# Altium PCB SOM Board with RK3399.PcbDoc (part 1 of 5) (continued)
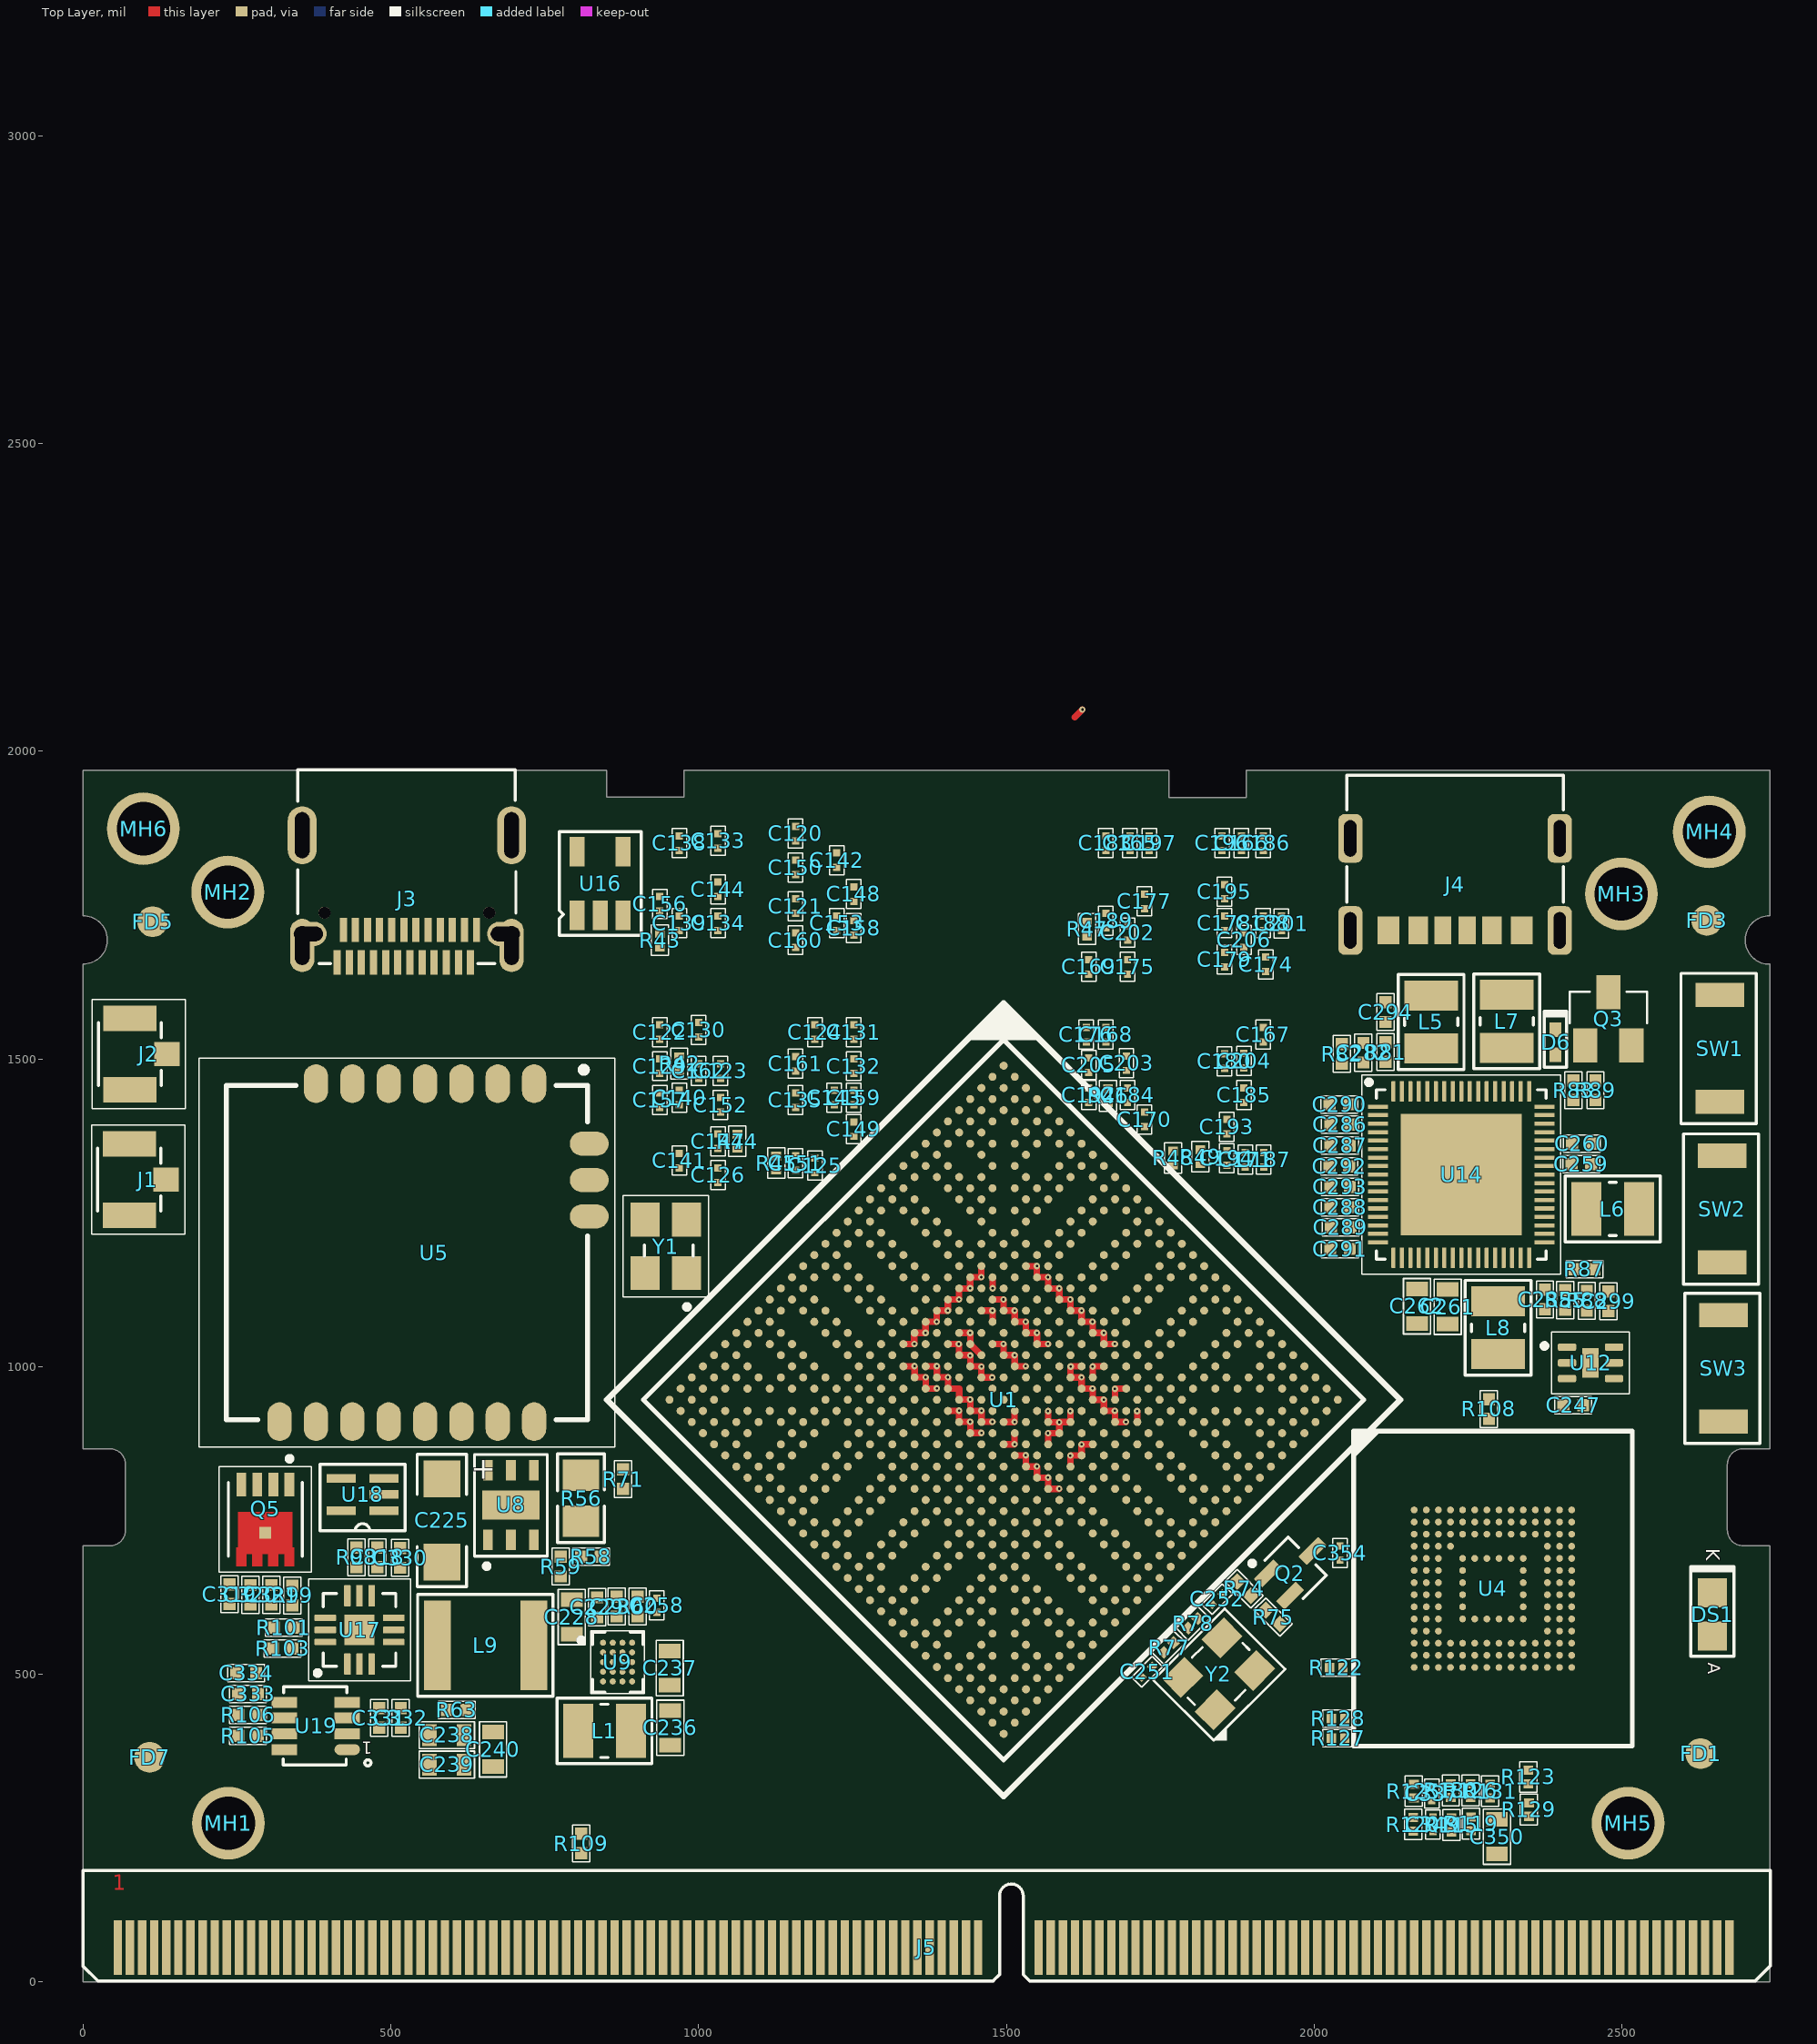
[diagram p0: Top Layer view]
## Components (designator, comment, footprint, x,y, rotation, side; value= is the part's Value field where it differs from the comment)
C1 "10uF" CAP_0402 1685.23,907.28 r45 bottom
C3 "10uF" CAP_0402 1535.47,962.98 r315 bottom
C4 "10uF" CAP_0402 1296.44,1008.07 r45 bottom
C5 "10uF" CAP_0402 1509.98,1127.5 r225 bottom
C6 "22uF" CAP_0402 1487.84,792.46 r45 bottom
C7 "10uF" CAP_0402 1546.69,874.9 r135 bottom
C8 "1uF" CAP_0201 1569,793 r45 bottom
C9 "100nF" CAP_0201 1549.06,812.59 r45 bottom
C10 "100nF" CAP_0201 1529.61,833.44 r45 bottom
C11 "100nF" CAP_0201 1508.36,854.49 r45 bottom
C12 "100nF" CAP_0201 1492.65,901.75 r45 bottom
C13 "1nF" CAP_0201 1509.82,945.13 r315 bottom
C14 "22uF" CAP_0402 1530.02,1099.7 r225 bottom
C15 "10uF" CAP_0402 1554.42,1077 r225 bottom
C16 "1uF" CAP_0201 1473.61,1082.79 r45 bottom
C17 "100nF" CAP_0201 1454.81,1102 r45 bottom
C18 "100nF" CAP_0201 1530.32,2961.53 r225 bottom
C19 "100nF" CAP_0201 1492.14,1058.44 r225 bottom
C20 "100nF" CAP_0201 1512.68,1038.25 r225 bottom
C21 "1nF" CAP_0201 1531.76,1018.43 r225 bottom
C24 "1uF" CAP_0201 1631.05,889.3 r315 bottom
C25 "100nF" CAP_0201 1566.82,900.68 r315 bottom
C26 "100nF" CAP_0201 1595.24,926.04 r315 bottom
C27 "100nF" CAP_0201 1610.5,867.36 r315 bottom
C28 "100nF" CAP_0201 1637.36,829.92 r225 bottom
C29 "1nF" CAP_0201 1586.89,832.61 r315 bottom
C30 "22uF" CAP_0402 1733.96,954.66 r225 bottom
C31 "22uF" CAP_0402 1709.24,978.38 r225 bottom
C32 "22uF" CAP_0402 1708.29,883.12 r45 bottom
C33 "1uF" CAP_0201 1655.92,918.44 r45 bottom
C34 "100nF" CAP_0201 1636.7,936.41 r45 bottom
C35 "100nF" CAP_0201 1617,955 r45 bottom
C36 "100nF" CAP_0201 1652.29,982.05 r135 bottom
C37 "100nF" CAP_0201 1673.07,1002.25 r135 bottom
C38 "100nF" CAP_0201 1630.49,1014.69 r45 bottom
C39 "1nF" CAP_0201 1598,975.03 r45 bottom
C40 "22uF" CAP_0402 1458.99,855.55 r45 bottom
C41 "22uF" CAP_0402 1382.23,910.44 r45 bottom
C42 "22uF" CAP_0402 1422.18,960.93 r225 bottom
C43 "22uF" CAP_0402 1453.37,944.93 r225 bottom
C44 "22uF" CAP_0402 1415.9,1060.63 r45 bottom
C45 "22uF" CAP_0402 1339.37,966.75 r45 bottom
C46 "22uF" CAP_0402 1357.97,934.46 r45 bottom
C47 "22uF" CAP_0402 1436.44,877.8 r45 bottom
C48 "1uF" CAP_0201 1475.42,924.99 r225 bottom
C49 "100nF" CAP_0201 1410.95,895.21 r45 bottom
C50 "100nF" CAP_0201 1484.54,995.5 r225 bottom
C51 "100nF" CAP_0201 1399.98,994.6 r225 bottom
C52 "100nF" CAP_0201 1378,1017 r45 bottom
C53 "100nF" CAP_0201 1463.35,1011.6 r225 bottom
C54 "100nF" CAP_0201 1444.44,1031.64 r225 bottom
C55 "1nF" CAP_0201 1324.08,992.38 r45 bottom
C56 "100nF" CAP_0201 1753.84,2739.89 r135 bottom
C57 "100nF" CAP_0201 1773.53,2759.57 r135 bottom
C58 "100nF" CAP_0201 1635.73,2672.96 r135 bottom
C59 "100nF" CAP_0201 1675.1,2598.16 r135 bottom
C60 "1nF" CAP_0201 1449,2381 r45 bottom
C61 "100nF" CAP_0201 1505.81,2515.48 r135 bottom
C62 "1uF" CAP_0201 1612.11,2578.47 r135 bottom
C63 "1uF" CAP_0201 1592.43,2558.79 r135 bottom
C64 "100nF" CAP_0201 2124.73,2803.57 r135 bottom
C65 "100nF" CAP_0201 2105.05,2783.89 r135 bottom
C66 "100nF" CAP_0201 2085.36,2764.2 r135 bottom
C67 "100nF" CAP_0201 2065.68,2744.52 r135 bottom
C68 "100nF" CAP_0201 2045.99,2724.83 r135 bottom
C69 "100nF" CAP_0201 2026.31,2705.15 r135 bottom
C70 "100nF" CAP_0201 2006.62,2685.46 r135 bottom
C71 "100nF" CAP_0201 1986.94,2665.78 r135 bottom
C72 "1uF" CAP_0201 1371.95,2669.02 r45 bottom
C73 "100nF" CAP_0201 1391.64,2649.34 r45 bottom
C74 "100nF" CAP_0201 1332.58,2704.46 r225 bottom
C75 "1uF" CAP_0201 1352.27,2684.77 r225 bottom
C76 "100nF" CAP_0201 1718.41,2909.18 r45 bottom
C77 "100nF" CAP_0201 1738.09,2889.5 r225 bottom
C78 "100nF" CAP_0201 1285.34,2759.57 r45 bottom
C79 "100nF" CAP_0201 1576.68,2598.16 r225 bottom
C80 "100nF" CAP_0201 1671.17,2653.28 r225 bottom
C81 "100nF" CAP_0201 1580.05,2532.62 r135 bottom
C82 "100nF" CAP_0201 1482.19,2645.4 r315 bottom
C83 "100nF" CAP_0201 1450.69,2669.02 r45 bottom
C84 "100nF" CAP_0201 1423.13,2692.65 r225 bottom
C85 "100nF" CAP_0201 1411.32,2629.65 r45 bottom
C86 "100nF" CAP_0201 1462.5,2625.72 r315 bottom
C87 "100nF" CAP_0201 1446.76,2606.03 r315 bottom
C88 "100nF" CAP_0201 1734.16,2720.2 r135 bottom
C89 "100nF" CAP_0201 1789.28,2779.26 r135 bottom
C90 "100nF" CAP_0201 1230.22,2779.26 r45 bottom
C91 "100nF" CAP_0201 1312.9,2724.14 r45 bottom
C92 "100nF" CAP_0201 2227,620 r0 bottom
C93 "10uF" CAP_0402 2287,617 r0 bottom
C94 "100nF" CAP_0201 1190.85,2818.63 r45 bottom
C95 "100nF" CAP_0201 1210.54,2798.94 r45 bottom
C96 "100nF" CAP_0201 1261.72,2834.38 r135 bottom
C97 "100nF" CAP_0201 1249.91,2759.57 r45 bottom
C98 "100nF" CAP_0201 1171.17,2838.32 r45 bottom
C99 "100nF" CAP_0201 1222.35,2861.94 r315 bottom
C100 "22uF" CAP_0402 1501.89,1168.23 r225 bottom
C101 "10uF" CAP_0402 1459.2,1193.75 r315 bottom
C102 "1uF" CAP_0201 1442.36,1168.14 r315 bottom
C103 "100nF" CAP_0201 1422.33,1147.87 r315 bottom
C104 "100nF" CAP_0201 1402.41,1127.84 r315 bottom
C105 "100nF" CAP_0201 1382.85,1107.33 r315 bottom
C106 "100nF" CAP_0201 1362.69,1086.93 r315 bottom
C107 "100nF" CAP_0201 1342.54,1067.14 r315 bottom
C108 "100nF" CAP_0201 1322.62,1045.2 r315 bottom
C109 "100nF" CAP_0201 1541.24,3043.04 r225 bottom
C110 "22uF" CAP_0402 1499.79,3087.29 r225 bottom
C111 "10uF" CAP_0402 1525.5,3066.66 r225 bottom
C112 "1uF" CAP_0201 1580.05,3003.1 r225 bottom
C113 "100nF" CAP_0201 1598.14,2985 r225 bottom
C114 "100nF" CAP_0201 1616.24,2966.9 r225 bottom
C115 "100nF" CAP_0201 1643.61,2952.49 r225 bottom
C116 "100nF" CAP_0201 1663.29,2932.8 r225 bottom
C117 "100nF" CAP_0201 1682.98,2913.12 r225 bottom
C118 "22uF" CAP_0402 1314.96,1700.79 r270 bottom
C119 "10uF" CAP_0402 1314.96,1633.86 r270 bottom
C120 "1uF" CAP_0201 1157.48,1866.14 r270 top
C121 "100nF" CAP_0201 1157.48,1748.03 r270 top
C122 "100nF" CAP_0201 937.01,1543.31 r90 top
C123 "100nF" CAP_0201 1035.43,1480.31 r270 top
C124 "100nF" CAP_0201 1188.98,1543.31 r90 top
C125 "100nF" CAP_0201 1188.98,1326.77 r90 top
C126 "100nF" CAP_0201 1031.5,1311.02 r90 top
C127 "22uF" CAP_0402 877.95,1708.66 r270 bottom
C128 "10uF" CAP_0402 877.95,1637.8 r270 bottom
C129 "1uF" CAP_0201 937.01,1488.19 r90 top
C130 "100nF" CAP_0201 1000,1547.24 r90 top
C131 "100nF" CAP_0201 1251.97,1543.31 r90 top
C132 "100nF" CAP_0201 1251.97,1488.19 r90 top
C133 "100nF" CAP_0201 1031.5,1854.33 r90 top
C134 "100nF" CAP_0201 1031.5,1720.47 r90 top
C135 "100nF" CAP_0201 1157.48,1433.07 r90 top
C136 "22uF" CAP_0402 877.95,1779.53 r90 bottom
C137 "10uF" CAP_0402 1314.96,1767.72 r90 bottom
C138 "1uF" CAP_0201 968.5,1850.39 r270 top
C139 "100nF" CAP_0201 968.5,1720.47 r90 top
C140 "100nF" CAP_0201 968.5,1437.01 r90 top
C141 "100nF" CAP_0201 968.5,1334.65 r90 top
C142 "100nF" CAP_0201 1224.41,1822.83 r90 top
C143 "100nF" CAP_0201 1220.47,1437.01 r90 top
C144 "100nF" CAP_0201 1031.5,1775.59 r90 top
C145 "22uF" CAP_0402 1314.96,1421.26 r270 bottom
C146 "10uF" CAP_0402 877.95,1413.39 r270 bottom
C147 "1uF" CAP_0201 1031.5,1366.14 r270 top
C148 "100nF" CAP_0201 1251.97,1767.72 r90 top
C149 "100nF" CAP_0201 1251.97,1385.83 r90 top
C150 "100nF" CAP_0201 1157.48,1811.02 r270 top
C151 "100nF" CAP_0201 1157.48,1330.71 r90 top
C152 "100nF" CAP_0201 1035.43,1425.2 r270 top
C153 "100nF" CAP_0201 1224.41,1720.47 r90 top
C154 "22uF" CAP_0402 1314.96,1488.19 r270 bottom
C155 "10uF" CAP_0402 877.95,1484.25 r270 bottom
C156 "1uF" CAP_0201 937.01,1751.97 r270 top
C157 "100nF" CAP_0201 937.01,1433.07 r90 top
C158 "100nF" CAP_0201 1251.97,1712.6 r90 top
C159 "100nF" CAP_0201 1251.97,1437.01 r90 top
C160 "100nF" CAP_0201 1157.48,1692.91 r90 top
C161 "100nF" CAP_0201 1157.48,1492.13 r90 top
C162 "100nF" CAP_0201 1000,1480.32 r90 top
C163 "22uF" CAP_0402 1572,1624 r270 bottom
C164 "10uF" CAP_0402 2007.87,1629.92 r270 bottom
C165 "1uF" CAP_0201 1700.79,1850.39 r90 top
C166 "100nF" CAP_0201 1881.89,1850.39 r90 top
C167 "100nF" CAP_0201 1917.32,1539.37 r90 top
C168 "100nF" CAP_0201 1661.42,1539.37 r90 top
C169 "100nF" CAP_0201 1633.86,1649.61 r270 top
C170 "100nF" CAP_0201 1724.41,1401.57 r270 top
C171 "100nF" CAP_0201 1888,1336 r270 top
C172 "22uF" CAP_0402 2010,1504 r90 bottom
C173 "10uF" CAP_0402 1570.87,1488.19 r90 bottom
C174 "1uF" CAP_0201 1921.26,1653.54 r270 top
C175 "100nF" CAP_0201 1696.85,1649.61 r270 top
C176 "100nF" CAP_0201 1629.92,1539.37 r90 top
C177 "100nF" CAP_0201 1724.41,1755.91 r270 top
C178 "100nF" CAP_0201 1854.33,1720.47 r90 top
C179 "100nF" CAP_0201 1854.33,1661.42 r90 top
C180 "100nF" CAP_0201 1854.33,1496.06 r90 top
C181 "22uF" CAP_0402 2007.87,1775.59 r90 bottom
C182 "10uF" CAP_0402 1570.87,1801.65 r90 bottom
C183 "1uF" CAP_0201 1661.42,1850.39 r270 top
C184 "100nF" CAP_0201 1696.85,1440.94 r90 top
C185 "100nF" CAP_0201 1885.83,1440.94 r90 top
C186 "100nF" CAP_0201 1917.32,1850.39 r270 top
C187 "100nF" CAP_0201 1918,1336 r90 top
C188 "100nF" CAP_0201 1917.32,1720.47 r90 top
C189 "100nF" CAP_0201 1661.42,1724.41 r90 top
C190 "22uF" CAP_0402 1567.95,1416.52 r270 bottom
C191 "10uF" CAP_0402 2011,1375 r90 bottom
C192 "1uF" CAP_0201 1633.86,1440.94 r270 top
C193 "100nF" CAP_0201 1858.27,1389.76 r90 top
C194 "100nF" CAP_0201 1858.27,1338.58 r90 top
C195 "100nF" CAP_0201 1854.33,1771.65 r90 top
C196 "100nF" CAP_0201 1850.39,1850.39 r270 top
C197 "100nF" CAP_0201 1732.28,1850.39 r270 top
C198 "100nF" CAP_0201 1570.87,1860.71 r270 bottom
C199 "22uF" CAP_0402 1572,1737 r90 bottom
C200 "10uF" CAP_0402 2011,1439 r90 bottom
C201 "1uF" CAP_0201 1947,1720 r90 top
C202 "100nF" CAP_0201 1697,1705 r90 top
C203 "100nF" CAP_0201 1695,1493 r90 top
C204 "100nF" CAP_0201 1886,1497 r270 top
C205 "100nF" CAP_0201 1634,1490 r270 top
C206 "100nF" CAP_0201 1886,1693 r90 top
C207 "100nF" CAP_0201 1573,1681 r90 bottom
C208 "100nF" CAP_0201 2274,674 r0 bottom
C209 "100nF" CAP_0201 2274,646 r180 bottom
C210 "100nF" CAP_0201 2222.47,754.22 r270 bottom
C211 "10uF" CAP_0402 2287,584 r180 bottom
C212 "100nF" CAP_0201 2293,714 r90 bottom
C213 "100nF" CAP_0201 2263,713 r90 bottom
C216 "4.7uF" CAP_0402 594,978 r270 bottom
C217 "100nF" CAP_0402 736,1301 r90 bottom
C218 "100nF" CAP_0402 539,1299 r90 bottom
C219 "10uF" CAP-T_1206 731,1052 r90 bottom
C221 "100nF" CAP_0402 668,978 r270 bottom
C223 "1uF" CAP_0402 418,1220 r90 bottom
C224 "1uF" CAP_0402 418,1153 r270 bottom
C225 "10uF" CAP-T_1206 583,750 r270 top
C226 "1nF" CAP_0402 929,1181 r180 bottom
C227 "10nF" CAP_0402 928,1215 r180 bottom
C228 "22uF" CAP_0603 794,593 r270 top
C229 "100nF" CAP_0402 835,609 r270 top
C230 "100nF" CAP_0402 867,610 r270 top
C231 "100nF" CAP_0402 373,382 r90 bottom
C232 "22uF" CAP_0603 351,463 r270 bottom
C233 "100nF" CAP_0402 340,381 r90 bottom
C234 "22uF" CAP_0603 862,413 r90 bottom
C235 "22uF" CAP_0603 811,412 r90 bottom
C236 "22uF" CAP_0603 954,413 r90 top
C237 "22uF" CAP_0603 953,510 r270 top
C238 "22uF" CAP_0603 591,401 r0 top
C239 "22uF" CAP_0603 591,353 r0 top
C240 "22uF" CAP_0603 666,378 r90 top
C241 "100nF" CAP_0402 852,609 r270 bottom
C242 "100nF" CAP_0402 441,377 r90 bottom
C243 "10uF" CAP_0402 782,673 r270 bottom
C244 "100nF" CAP_0402 814,673 r270 bottom
C245 "22uF" CAP_0603 764,892 r180 bottom
C246 "10uF" CAP_0402 2405,997 r270 bottom
C247 "10uF" CAP_0402 2421,937 r180 top
C248 "100nF" CAP_0402 802,758 r180 bottom
C249 "22nF" CAP_0402 878,817 r90 bottom
C250 "100nF" CAP_0201 1710.54,2562.72 r315 bottom
C251 "12pF" CAP_0201 1728.35,503.94 r45 top
C252 "12pF" CAP_0201 1842.52,622.05 r225 top
C253 "100nF" CAP_0201 1612.11,2913.12 r225 bottom
C254 "100nF" CAP_0201 1564.87,2854.06 r315 bottom
C255 "100nF" CAP_0201 1635.73,2633.59 r315 bottom
C256 "100nF" CAP_0201 1655.42,2692.65 r315 bottom
C257 "1uF" CAP_0201 920,741 r180 bottom
C258 "1uF" CAP_0201 932,612 r270 top
C259 "100nF" CAP_0402 2434,1329 r180 top
C260 "100nF" CAP_0402 2435,1362 r180 top
C261 "22uF" CAP_0603 2217,1097 r90 top
C262 "22uF" CAP_0603 2167,1098 r90 top
C263 "22uF" CAP_0603 2223,1425 r90 bottom
C264 "22uF" CAP_0603 2224,1522 r270 bottom
C265 "22uF" CAP_0603 2174,1531 r270 bottom
C266 "22uF" CAP_0603 2504,1232 r0 bottom
C267 "22uF" CAP_0603 2504,1282 r0 bottom
C268 "47pF" CAP_0402 2279,1599 r90 bottom
C269 "22uF" CAP_0603 2389,1582 r90 bottom
C270 "22uF" CAP_0603 2323,1042 r270 bottom
C271 "22uF" CAP_0603 2270,1043 r270 bottom
C272 "100nF" CAP_0402 2373,1190 r0 bottom
C273 "1uF" CAP_0402 2111,1315.36 r0 bottom
C274 "1uF" CAP_0402 2106.56,1219.32 r180 bottom
C275 "1uF" CAP_0402 2110.82,1423.34 r180 bottom
C276 "1uF" CAP_0402 2103.76,1256.88 r180 bottom
C277 "1uF" CAP_0402 2113,1381 r180 bottom
C278 "1uF" CAP_0402 2321.68,1176.76 r270 bottom
C279 "1uF" CAP_0402 2352,1257 r0 bottom
C280 "1uF" CAP_0402 2352,1223 r0 bottom
C281 "1uF" CAP_0402 2107.25,1186.99 r180 bottom
C282 "22pF" CAP_0402 2080,1510 r90 top
C283 "1uF" CAP_0402 2038,1313 r0 bottom
C284 "2.2uF" CAP_0402 2288.91,1177.3 r270 bottom
C285 "2.2uF" CAP_0402 2375,1109 r90 top
C286 "2.2uF" CAP_0402 2042,1393 r0 top
C287 "2.2uF" CAP_0402 2042,1359 r0 top
C288 "2.2uF" CAP_0402 2042,1259 r0 top
C289 "2.2uF" CAP_0402 2043,1226 r0 top
C290 "2.2uF" CAP_0402 2041,1426 r0 top
C291 "2.2uF" CAP_0402 2042,1191 r0 top
C292 "2.2uF" CAP_0402 2041,1325 r0 top
C293 "2.2uF" CAP_0402 2042,1292 r0 top
C294 "22pF" CAP_0402 2116,1576 r90 top
C295 "100nF" CAP_0402 2367.38,1438.53 r0 bottom
C296 "100nF" CAP_0402 2112.42,1348.33 r180 bottom
C297 "100nF" CAP_0402 2369.69,1374.42 r0 bottom
C298 "100nF" CAP_0402 2368.63,1406.51 r0 bottom
C299 "1uF" CAP_0402 2478,1106 r90 top
C300 "10uF" CAP_0402 2518,1524 r270 bottom
C301 "220pF" CAP_0402 509,1694 r90 bottom
C302 "220pF" CAP_0402 616,1830 r270 bottom
C303 "100nF" CAP_0603 421,1605 r0 bottom
C304 "100nF" CAP_0402 526,1598 r90 bottom
C305 "100nF" CAP_0402 574,1695 r90 bottom
C306 "100nF" CAP_0402 594,1598 r90 bottom
C307 "100nF" CAP_0402 629,1598 r90 bottom
C308 "100nF" CAP_0402 475,1695 r90 bottom
C309 "1uF" CAP_0402 461,1924 r0 bottom
C310 "1uF" CAP_0402 430,1859 r90 bottom
C311 "1uF" CAP_0402 430,1787 r270 bottom
C312 "100nF" CAP_0402 442,1694 r90 bottom
C313 "10uF" CAP_0402 804,1743 r270 bottom
C314 "10uF" CAP_0402 753,1837 r270 bottom
C315 "22uF" CAP_0603 2169,1790 r270 bottom
C316 "22uF" CAP_0603 2119,1790 r270 bottom
C317 "100nF" CAP_0402 2213,1776 r270 bottom
C318 "220nF" CAP_0402 478,690 r90 top
C319 "100nF" CAP_0402 238,630 r90 top
C320 "10uF" CAP_0402 272,629 r90 top
C321 "10uF" CAP_0402 306,629 r90 top
C322 "22uF" CAP_0603 597,563 r180 bottom
C323 "22uF" CAP_0603 597,614 r180 bottom
C324 "100nF" CAP_0402 583,521 r180 bottom
C325 "4.7uF" CAP_0402 292,782 r180 bottom
C326 "1uF" CAP_0402 468,571 r90 bottom
C327 "1uF" CAP_0402 429,768 r180 bottom
C328 "100nF" CAP_0402 430,800 r180 bottom
C329 "100nF" CAP_0402 429,833 r180 bottom
C330 "1uF" CAP_0402 515,689 r270 top
C331 "10uF" CAP_0402 481,429 r270 top
C332 "100nF" CAP_0402 516,429 r270 top
C333 "10uF" CAP_0402 268,468 r0 top
C334 "10uF" CAP_0402 265,502 r0 top
C335 "1uF" CAP_0201 1971,557 r90 bottom
C336 "1uF" CAP_0201 1999,557 r90 bottom
C337 "100nF" CAP_0201 2191,306 r270 top
C338 "1uF" CAP_0201 2121,598 r270 bottom
C339 "100nF" CAP_0201 2438,351 r180 bottom
C340 "100nF" CAP_0201 2435,461 r180 bottom
C341 "100nF" CAP_0201 2045,503 r0 bottom
C342 "100nF" CAP_0201 2042,344 r0 bottom
C343 "100nF" CAP_0201 2435,406 r180 bottom
C344 "100nF" CAP_0201 2183.74,598.35 r270 bottom
C345 "4.7nF" CAP_0201 2043,316 r0 bottom
C346 "4.7uF" CAP_0201 2333.95,594.21 r270 bottom
C347 "100nF" CAP_0201 2362.6,594.38 r270 bottom
C348 "100nF" CAP_0201 2091,598 r270 bottom
C349 "100nF" CAP_0201 2193,256 r270 top
C350 "1uF" CAP_0603 2297,236 r270 top
C351 "10uF" CAP_0402 2361,654 r90 bottom
C352 "100nF" CAP_0201 2330,659 r90 bottom
C353 "12pF" CAP_0201 2222,700 r270 bottom
C354 "12pF" CAP_0201 2042,697 r90 top
D1 "BZT52C3V3T-7" DIO_SOD523 1249.91,2649.34 r225 bottom
D2 "BZT52C3V3T-7" DIO_SOD523 1529.43,2204.46 r225 bottom
D3 "BZT52C3V3T-7" DIO_SOD523 1423.13,2235.95 r315 bottom
D4 "BAT54CWT1G" DIO_SOT-323-3 2008,1213 r90 bottom
D5 "1N4148WT" DIO_SOD523 2309,1401 r270 bottom
D6 "AVRL101A1R1NTB" DIO_0402_SMD 2392,1527 r270 top
D7 "BZT52C3V3T-7" DIO_SOD523 344,1562 r90 bottom
DS1 "RED LED" LED_0805 2647,597 r270 top
FB1 "BLM15PD121SN1D" RES_0402 1533.37,2535.17 r135 bottom
FB2 "BLM15PD121SN1D" RES_0402 1332.58,3027.29 r135 bottom
FB3 "BLM15PD121SN1D" RES_0402 1639.67,3027.29 r45 bottom
FB4 "BLM15PD121SN1D" RES_0402 1379.83,3046.98 r225 bottom
FB5 "BLM15PD121SN1D" RES_0402 1564.87,3027.29 r225 bottom
FB6 "BLM15PD121SN1D" RES_0402 1314.96,1559.06 r270 bottom
FB7 "BLM15PD121SN1D" RES_0402 2007,1709 r90 bottom
FB8 "BLM15PD121SN1D" RES_0402 1537.31,2838.32 r315 bottom
FB9 "BLM15PD121SN1D" RES_0402 1584.55,2877.68 r315 bottom
FB10 "BLM15PD121SN1D" RES_0402 1619.98,2609.97 r135 bottom
FD1 "Fiducial" FIDUCIAL_50MIL 2628,371 r0 top
FD2 "Fiducial" FIDUCIAL_50MIL 2652.91,413.07 r180 bottom
FD3 "Fiducial" FIDUCIAL_50MIL 2638,1725 r0 top
FD4 "Fiducial" FIDUCIAL_50MIL 2637.83,1725 r180 bottom
FD5 "Fiducial" FIDUCIAL_50MIL 113,1723 r0 top
FD6 "Fiducial" FIDUCIAL_50MIL 130.91,1678.07 r180 bottom
FD7 "Fiducial" FIDUCIAL_50MIL 108.09,365.07 r0 top
FD8 "Fiducial" FIDUCIAL_50MIL 99,392 r180 bottom
J1 "ECT818000071" CON3_UFL_116_SMD_ST 105,1304 r90 top
J2 "ECT818000071" CON3_UFL_116_SMD_ST 106,1508 r90 top
J3 "U262-241N-4BV64" CON24_19.64_U262-241N-4BV64_TH_RA 526,1760 r180 top
J4 "UJC-HP-3-SMT-TR" CON6_48.4_UJC-HP-3-SMT-TR 2236.22,1783.46 r180 top locked
J5 "DIMM 260" DIMM260_DDR4 1370.34,56 r0 top locked
L1 "DFE252010P-R47M=P2" IND_1008 847,408 r0 top
L2 "DFE252010P-R47M=P2" IND_1008 571,448 r0 bottom
L3 "DFE252010P-1R0M=P2" IND_1008 688,810 r0 bottom
L4 "CB2012T1R0M" IND_0805 2449,915 r180 bottom
L5 "DFE252010P-1R0M=P2" IND_1008 2190,1560 r270 top
L6 "DFE252010P-1R0M=P2" IND_1008 2485.09,1256 r180 top
L7 "DFE252010P-1R0M=P2" IND_1008 2313,1561 r90 top
L8 "DFE252010P-1R0M=P2" IND_1008 2299,1063 r90 top
L9 "WPN4020H1R5MT" IND_1616 654,547 r0 top
L10 "DFE252010P-1R0M=P2" IND_1008 268,429 r90 bottom
L11 "WPN201610H4R7MT" IND_62.9_110X86.6_SMD 2423.32,625.51 r90 bottom
MH1 "Mounting Hole" SOM_MOUNTING 236,258 r0 top
MH2 "Mounting Hole" SOM_MOUNTING 235,1771 r0 top
MH3 "Mounting Hole" SOM_MOUNTING 2499,1768 r0 top
MH4 "Mounting Hole" SOM_MOUNTING 2642,1869 r0 top
MH5 "Mounting Hole" SOM_MOUNTING 2510,258 r0 top
MH6 "Mounting Hole" SOM_MOUNTING 98,1874 r0 top
Q1 "BSS84W-7-F" SOT-323-3 1955,705 r135 bottom
Q2 "MMBT3904WT1G" SOT-323-3 1970,673 r45 top
Q3 "WNM2016-3/TR" "SOT 23-3" 2478,1565 r270 top
Q4 "WNM2021-3/TR" SOT-323-3 2455,1454 r90 bottom
Q5 "SI7615CDN-T1-GE3" PowerPAK_1212-8_SMD 296,769 r270 top
Q6 "WNM2021-3/TR" SOT-323-3 2294,919 r0 bottom
R1 "22R" RES_0201 1824.71,2672.96 r315 bottom
R2 "33R" RES_0201 1714.47,2515.48 r315 bottom
R3 "10K" RES_0201 1801.09,2649.34 r315 bottom
R4 "100R" RES_0201 1427.07,2401.31 r225 bottom
R5 "10K" RES_0201 1277.46,2606.03 r45 bottom
R6 "1.62K" RES_0201 1316.83,2645.4 r45 bottom
R7 "6.04K" RES_0201 1777.46,2877.68 r45 bottom
R8 "4.02K" RES_0201 1245.97,2720.2 r45 bottom
R9 "1K" RES_0201 1517.62,2291.07 r315 bottom
R10 "133R" RES_0201 1627.86,2432.8 r135 bottom
R11 "1K" RES_0201 1494,2267.45 r315 bottom
R12 "133R" RES_0201 1604.24,2409.18 r135 bottom
R13 "499R" RES_0201 1340.46,2598.16 r45 bottom
R14 "499R" RES_0201 1368.02,2558.79 r45 bottom
R15 "499R" RES_0201 1423.13,2574.54 r45 bottom
R16 "499R" RES_0201 1387.7,2535.17 r45 bottom
R17 "2.2K" RES_0201 1934.94,2665.09 r315 bottom
R18 "2.2K" RES_0201 1812.9,2798.94 r135 bottom
R19 "2.2K" RES_0201 1871.95,2735.95 r315 bottom
R20 "2.2K" RES_0201 1887.67,2695.48 r225 bottom
R21 "4.02K" RES_0201 1186.91,2712.33 r225 bottom
R22 "4.02K" RES_0201 1206.6,2680.83 r225 bottom
R23 "22R" RES_0201 1856.28,2846.11 r315 bottom
R24 "22R" RES_0201 1801.17,2854.14 r45 bottom
R25 "22R" RES_0201 1895.57,2814.69 r315 bottom
R26 "22R" RES_0201 1833.38,2822.14 r315 bottom
R27 "22R" RES_0201 1875.89,2779.26 r315 bottom
R28 "22R" RES_0201 1761.72,2830.44 r315 bottom
R29 "22R" RES_0201 1934.94,2771.39 r315 bottom
R30 "2.2K" RES_0201 1777.46,2625.72 r135 bottom
R31 "2.2K" RES_0201 1753.84,2602.09 r135 bottom
R32 "2.2K" RES_0201 1793.21,2558.79 r315 bottom
R33 "2.2K" RES_0201 1714.47,2696.58 r135 bottom
R34 "1K" RES_0201 1159.35,2791.07 r315 bottom
R35 "1K" RES_0201 1025.5,2791.07 r45 bottom
R36 "2.2K" RES_0201 1021.56,2854.06 r315 bottom
R37 "2.2K" RES_0201 1242.03,2885.56 r315 bottom
R38 "1K" RES_0201 1135.73,2767.45 r135 bottom
R39 "1K" RES_0201 1045.18,2767.45 r225 bottom
R40 "240R" RES_0201 1312.9,3003.67 r315 bottom
R41 "240R" RES_0201 1659.35,3003.67 r225 bottom
R42 "10K" RES_0201 968.5,1492.13 r270 top
R43 "10K" RES_0201 937.01,1692.91 r90 top
R44 "240R" RES_0201 1062.99,1366.14 r270 top
R45 "240R" RES_0201 1125.98,1330.71 r270 top
R46 "10K" RES_0201 1665,1440 r270 top
R47 "10K" RES_0201 1631,1711 r270 top
R48 "240R" RES_0201 1771,1339 r270 top
R49 "240R" RES_0201 1815,1341 r270 top
R50 "10K" RES_0201 2226,590 r180 bottom
R51 "10K" RES_0402 554,978 r90 bottom
R52 "1K" RES_0402 700,1299 r90 bottom
R53 "10K" RES_0402 1670.52,2550.71 r135 bottom
R54 "47K" RES_0402 573,1203 r270 bottom
R55 "1K" RES_0402 929,1148 r180 bottom
R56 "40.2K" RES_0805 809,786 r270 top
R57 "120K" RES_0402 607,1203 r90 bottom
R58 "10K" RES_0402 825,691 r0 top
R59 "1K" RES_0402 776,675 r270 top
R60 "10K" RES_0402 901,610 r90 top
R61 "100R" RES_0402 904,426 r90 bottom
R62 "10K" RES_0402 407,377 r90 bottom
R63 "100R" RES_0402 607,442 r180 top
R64 "100K" RES_0402 778,824 r90 bottom
R65 "100K" RES_0402 2438,997 r270 bottom
R66 "200K" RES_0402 2473,996 r90 bottom
R67 "10K" RES_0402 801,723 r180 bottom
R68 "39K" RES_0402 842,888 r270 bottom
R69 "118K" RES_0402 826,833 r0 bottom
R70 "5.6K" RES_0402 875,889 r90 bottom
R71 "12K" RES_0402 877,817 r90 top
R72 "200K" RES_0402 827,801 r180 bottom
R73 "100K" RES_0402 1956,617 r135 bottom
R74 "10K" RES_0402 1886,639 r135 top
R75 "47K" RES_0402 1933,593 r135 top
R76 "33R" RES_0201 1749.91,2523.35 r135 bottom
R77 "1M" RES_0201 1763.78,543.31 r225 top
R78 "1K" RES_0201 1803.15,582.68 r225 top
R79 "51K" RES_0402 2312,1595 r90 bottom
R80 "200K" RES_0402 2347,1596 r90 bottom
R81 "0R" RES_0402 2116,1511 r90 top
R82 "10K" RES_0402 2045,1508 r90 top
R83 "10K" RES_0402 2421,1449 r90 top
R84 "10K" RES_0402 2163,1193 r90 bottom
R85 "100R" RES_0402 2408,1108 r270 top
R86 "100R" RES_0402 2263.97,1439.75 r90 bottom
R87 "300K" RES_0402 2439,1158 r0 top
R88 "300K" RES_0402 2443,1107 r90 top
R89 "100K" RES_0402 2457,1449 r90 top
R90 "1K" RES_0402 436,1564 r0 bottom
R91 "100K" RES_0402 606,1696 r90 bottom
R92 "2M" RES_0402 542,1695 r270 bottom
R93 "2M" RES_0402 492,1598 r90 bottom
R94 "100K" RES_0402 560,1598 r90 bottom
R95 "3.4K" RES_0402 838,1742 r270 bottom
R96 "5.6K" RES_0402 2287,1775 r270 bottom
R97 "5.6K" RES_0402 2246,1773 r270 bottom
R98 "3.3R" RES_0402 444,690 r90 top
R99 "100K" RES_0402 340,628 r90 top
R100 "100K" RES_0402 292,816 r180 bottom
R101 "10K" RES_0402 326,576 r180 top
R102 "200K" RES_0402 242,801 r90 bottom
R103 "10K" RES_0402 324,542 r180 top
R104 "100K" RES_0402 435,572 r270 bottom
R105 "30K" RES_0402 268,400 r180 top
R106 "6.8K" RES_0402 268,434 r0 top
R107 "4.7K" RES_0402 2633,563 r90 bottom
R108 "1K" RES_0402 2284,931 r90 top
R109 "10K" RES_0402 809,225 r90 top
R110 "0R" RES_0201 2042,574 r0 bottom
R111 "0R" RES_0201 2044,607 r0 bottom
R112 "0R" RES_0201 2437,492 r180 bottom
R113 "0R" RES_0201 2330,713 r90 bottom
R114 "4.7K" RES_0201 2043,409 r180 bottom
R115 "4.7K" RES_0201 2223,255 r90 top
R116 "4.7K" RES_0201 2040,374 r180 bottom
R117 "33R" RES_0201 2438,545 r180 bottom
R118 "2.49K" RES_0201 2043,540 r0 bottom
R119 "33R" RES_0201 2255,257 r270 top
R120 "33R" RES_0201 2161,256 r270 top
R121 "4.7K" RES_0201 2045,473 r180 bottom
R122 "4.7K" RES_0201 2036,511 r0 top
R123 "4.7K" RES_0201 2348,333 r270 top
R124 "4.7K" RES_0201 2046,444 r180 bottom
R125 "4.7K" RES_0201 2162,310 r90 top
R126 "4.7K" RES_0201 2254,311 r90 top
R127 "4.7K" RES_0201 2039,396 r0 top
R128 "4.7K" RES_0201 2039,428 r180 top
R129 "4.7K" RES_0201 2349,280 r90 top
R130 "4.7K" RES_0201 2222,311 r90 top
R131 "4.7K" RES_0201 2286,310 r90 top
R132 "1.1K" RES_0201 2153.06,597.57 r270 bottom
SW1 "4982" SW_177_39.3X77.7_SMD 2659,1517 r90 top
SW2 "4982" SW_177_39.3X77.7_SMD 2663,1256 r90 top
SW3 "4982" SW_177_39.3X77.7_SMD 2665,997 r90 top
U1 "RK3399" FBGA828_23_826X826 1495.57,946.05 r315 top locked
U2 "RS512M32LZ4D2ANP-75BT" FBGA200_SMD 1095.24,1596.39 r0 bottom locked
U3 "RS512M32LZ4D2ANP-75BT" FBGA200_SMD 1789.76,1596.39 r0 bottom locked
U4 "KLMAG2WEMB-B031" BGA153C50P14X14_1150X1300X70 2290.42,639.05 r0 top locked
U5 "WF60" MOD_WF60 526,1185 r270 top locked
U6 "TXB0108NMER" NFBGA_31.4_125.9X102.36 619.84,1309 r270 bottom
U7 "RT9193-18GU5" SC70-5 502,1194 r270 bottom
U8 "LD39050PUR" DFN-6_37.4_165_33X15_SMD 695,775 r90 top
U9 "SYR838PKC" CSP20_15.7_100x84_SMD 868.38,519.75 r0 top
U10 "SYR838PKC" CSP20_15.7_100x84_SMD 441,462 r0 bottom
U11 "RT8010GQW" WDFN-6_26_133X100_SMD 694,697 r180 bottom
U12 "RT8010GQW" WDFN-6_26_133X100_SMD 2449,1006 r0 top
U13 "RT9193-18GU5" SC70-5 933,652 r270 bottom
U14 "RK808-D" QFN68_13.7_220.4X220.4_SMD 2239,1312 r0 top locked
U15 "FUSB302MPX" MLP-14_98.4X98.4_SMD 523,1831 r0 bottom
U16 "SY6280AAC" SOT23-5 840,1785 r0 top
U17 "NB680GD-Z" QFN-12_19_118X118_SMD 449,572 r90 top
U18 "RT9193-33PU5" SC70-5 454,792 r180 top
U19 "MP2143DJ-LF-Z" SOT23-8 378,416 r180 top
U20 "RTL8211E-VB-CG" QFN48_19.6_324X324_SMD 2241.47,394.24 r180 bottom
Y1 "ECS-327MVATX-3-CN-TR" XTAL_57_35X31_SMD 980,1152 r90 top
Y2 "24Mhz" XTAL_ABM8AIG-24.000MHZ-12-2Z-T3 1844.83,500.59 r45 top
Y3 "ECS-.327-6-34RR-TR" XTAL_ECS-.327-6-34RR-TR 2107,1558 r270 bottom
Y4 "24Mhz" XTAL_ABM8AIG-24.000MHZ-12-2Z-T3 2120,702 r180 bottom

## Footprints (in the part's own frame and the unit in brackets; to place one, negate y for a bottom-side part, rotate by r counter-clockwise, add the part's x,y. Pads: shape width x height; smd on the part's side, far side on the other; paste and mask are expansions set on the pad)
BGA153C50P14X14_1150X1300X70 [mm] "BGA, 153-Leads, Body 11.50x13.00mmx0.70mm, Pitch 0.50mm"
  round 0.28 smd: A1(-3.25,3.25) A2(-2.75,3.25) A3(-2.25,3.25) A4(-1.75,3.25) A5(-1.25,3.25) A6(-0.75,3.25) A7(-0.25,3.25) A8(0.25,3.25) A9(0.75,3.25) A10(1.25,3.25) A11(1.75,3.25) A12(2.25,3.25) A13(2.75,3.25) A14(3.25,3.25) B1(-3.25,2.75) B2(-2.75,2.75) B3(-2.25,2.75) B4(-1.75,2.75) B5(-1.25,2.75) B6(-0.75,2.75) B7(-0.25,2.75) B8(0.25,2.75) B9(0.75,2.75) B10(1.25,2.75) B11(1.75,2.75) B12(2.25,2.75) B13(2.75,2.75) B14(3.25,2.75) C1(-3.25,2.25) C2(-2.75,2.25) C3(-2.25,2.25) C4(-1.75,2.25) C5(-1.25,2.25) C6(-0.75,2.25) C7(-0.25,2.25) C8(0.25,2.25) C9(0.75,2.25) C10(1.25,2.25) C11(1.75,2.25) C12(2.25,2.25) C13(2.75,2.25) C14(3.25,2.25) D1(-3.25,1.75) D2(-2.75,1.75) D3(-2.25,1.75) D4(-1.75,1.75) D12(2.25,1.75) D13(2.75,1.75) D14(3.25,1.75) E1(-3.25,1.25) E2(-2.75,1.25) E3(-2.25,1.25) E5(-1.25,1.25) E6(-0.75,1.25) E7(-0.25,1.25) E8(0.25,1.25) E9(0.75,1.25) E10(1.25,1.25) E12(2.25,1.25) E13(2.75,1.25) E14(3.25,1.25) F1(-3.25,0.75) F2(-2.75,0.75) F3(-2.25,0.75) F5(-1.25,0.75) F10(1.25,0.75) F12(2.25,0.75) F13(2.75,0.75) F14(3.25,0.75) G1(-3.25,0.25) G2(-2.75,0.25) G3(-2.25,0.25) G5(-1.25,0.25) G10(1.25,0.25) G12(2.25,0.25) G13(2.75,0.25) G14(3.25,0.25) H1(-3.25,-0.25) H2(-2.75,-0.25) H3(-2.25,-0.25) H5(-1.25,-0.25) H10(1.25,-0.25) H12(2.25,-0.25) H13(2.75,-0.25) H14(3.25,-0.25) J1(-3.25,-0.75) J2(-2.75,-0.75) J3(-2.25,-0.75) J5(-1.25,-0.75) J10(1.25,-0.75) J12(2.25,-0.75) J13(2.75,-0.75) J14(3.25,-0.75) K1(-3.25,-1.25) K2(-2.75,-1.25) K3(-2.25,-1.25) K5(-1.25,-1.25) K6(-0.75,-1.25) K7(-0.25,-1.25) K8(0.25,-1.25) K9(0.75,-1.25) K10(1.25,-1.25) K12(2.25,-1.25) K13(2.75,-1.25) K14(3.25,-1.25) L1(-3.25,-1.75) L2(-2.75,-1.75) L3(-2.25,-1.75) L12(2.25,-1.75) L13(2.75,-1.75) L14(3.25,-1.75) M1(-3.25,-2.25) M2(-2.75,-2.25) M3(-2.25,-2.25) M4(-1.75,-2.25) M5(-1.25,-2.25) M6(-0.75,-2.25) M7(-0.25,-2.25) M8(0.25,-2.25) M9(0.75,-2.25) M10(1.25,-2.25) M11(1.75,-2.25) M12(2.25,-2.25) M13(2.75,-2.25) M14(3.25,-2.25) N1(-3.25,-2.75) N2(-2.75,-2.75) N3(-2.25,-2.75) N4(-1.75,-2.75) N5(-1.25,-2.75) N6(-0.75,-2.75) N7(-0.25,-2.75) N8(0.25,-2.75) N9(0.75,-2.75) N10(1.25,-2.75) N11(1.75,-2.75) N12(2.25,-2.75) N13(2.75,-2.75) N14(3.25,-2.75) P1(-3.25,-3.25) P2(-2.75,-3.25) P3(-2.25,-3.25) P4(-1.75,-3.25) P5(-1.25,-3.25) P6(-0.75,-3.25) P7(-0.25,-3.25) P8(0.25,-3.25) P9(0.75,-3.25) P10(1.25,-3.25) P11(1.75,-3.25) P12(2.25,-3.25) P13(2.75,-3.25) P14(3.25,-3.25)
  silkscreen extent -5.75,-6.5 5.75,6.5, body extent -5.75,-6.5 5.75,6.5, height 0.7
CAP-T_1206 [mil] "Tantalum Capacitor"
  rect 60x60 smd: 1(-67.49,-0.2) 2(67.51,-0.2)
  silkscreen extent -107,-40 108,40, body extent -63,-31 63,32, height 39
CAP_0201 [mm]
  rect 0.3x0.3 smd: 1(-0.3,0) 2(0.3,0)
  silkscreen extent -0.6,-0.3 0.6,0.3, body extent -0.44,-0.15 0.44,0.15, height 0.31
CAP_0402 [mm] "Capacitor"
  rect 0.5x0.5 smd mask+0.051: 1(-0.406,0) 2(0.406,0)
  silkscreen extent -0.76,-0.36 0.76,0.36, body extent -0.53,-0.28 0.52,0.27, height 0.55
CAP_0603 [mm] "Capacitor"
  rect 0.6x0.9 smd mask+0.051: 1(-0.711,0) 2(0.711,0)
  silkscreen extent -1.14,-0.56 1.14,0.56, body extent -0.87,-0.48 0.87,0.47, height 0.87
CON3_UFL_116_SMD_ST [mm] "UFL Connector"
  rect 1.05x2.2 smd: 1(-1.475,0.763) 3(1.475,0.763)
  rect 1x1.05 smd: 2(0,-0.763)
  silkscreen extent -2.25,-1.54 2.25,2.31, body extent -1.5,-0.79 1.5,2.31, height 1.25
CON6_48.4_UJC-HP-3-SMT-TR [mm] "Type-C Connector"
  rect 0.7x1.15 smd: A5(-0.312,1.9) B5(0.688,1.9)
  rect 0.8x1.15 smd: A9(1.707,1.9) B9(-1.332,1.9)
  rect 0.9x1.15 smd: A12(2.937,1.9) B12(-2.562,1.9)
  rrect50% 1x2 hole 1.5 slot 0.5 at 0 deg unplated: E1(-4.132,1.9) E2(4.508,1.9) E3(4.508,-1.9) E4(-4.132,-1.9)
  silkscreen extent -4.28,-4.5 4.66,0.73, body extent -4.27,-4.5 4.67,2.3, height 3.42
CON24_19.64_U262-241N-4BV64_TH_RA [mm] "Type C Connector"
  rect 0.3x1 smd mask+0.076: A1(-2.625,2.625) A2(-2.125,2.625) A3(-1.625,2.625) A4(-1.125,2.625) A5(-0.625,2.625) A6(-0.125,2.625) A7(0.375,2.625) A8(0.875,2.625) A9(1.375,2.625) A10(1.875,2.625) A11(2.375,2.625) A12(2.875,2.625) B1(2.625,1.275) B2(2.125,1.275) B3(1.625,1.275) B4(1.125,1.275) B5(0.625,1.275) B6(0.125,1.275) B7(-0.375,1.275) B8(-0.875,1.275) B9(-1.375,1.275) B10(-1.875,1.275) B11(-2.375,1.275) B12(-2.875,1.275)
  oval 1x2.199 hole 0.6 slot 1.6 at 90 deg: S1(-4.32,1.925) S2(4.32,1.925)
  oval 1.499x1 hole 0.6 slot 1.2 at 0 deg: S1(-4.064,1.445) S2(4.064,1.445)
  oval 1.2x2.4 hole 0.6 slot 1.9 at 90 deg: S3(-4.32,-2.625) S4(4.32,-2.625)
  round 0.5 hole 0.5 unplated: ""(-3.4,0.575) ""(3.4,0.575)
  silkscreen extent -4.5,-5.33 4.5,2.67, body extent -6.06,-7.1 6.29,3.6, height 3.35
CSP20_15.7_100x84_SMD [mm] "CSP Package"
  round 0.25 smd mask+0.076: A1(-0.6,0.8) A2(-0.2,0.8) A3(0.2,0.8) A4(0.6,0.8) B1(-0.6,0.4) B2(-0.2,0.4) B3(0.2,0.4) B4(0.6,0.4) C1(-0.6,0) C2(-0.2,0) C3(0.2,0) C4(0.6,0) D1(-0.6,-0.4) D2(-0.2,-0.4) D3(0.2,-0.4) D4(0.6,-0.4) E1(-0.6,-0.8) E2(-0.2,-0.8) E3(0.2,-0.8) E4(0.6,-0.8)
  silkscreen extent -1.6,-1.3 1.1,1.3, body extent -1.12,-1.32 1.12,1.32, height 0.56
DFN-6_37.4_165_33X15_SMD [mm] "DFN Package"
  rect 0.84x0.4 smd mask+0.076: 1(-1.435,0.95) 2(-1.435,0) 3(-1.435,-0.95) 4(1.435,-0.95) 5(1.435,0) 6(1.435,0.95)
  rect 1.2x2.365 smd mask+0.076: 7(0,0)
  silkscreen extent -2.62,-1.5 2.08,1.5, body extent -1.5,-1.5 1.5,1.5, height 0.85